# Altium PCB cat.PcbDoc (part 3 of 3)
Units mm, origin at the board's own origin, x right, y up, seen from the top; angles counter-clockwise.
Board outline 65 x 116 mm, 4 copper layers (Top Layer, Layer 2, Layer 3, Bottom Layer), stack 1.518 mm thick; 277 components, 139 nets, 821 pads, 589 vias.
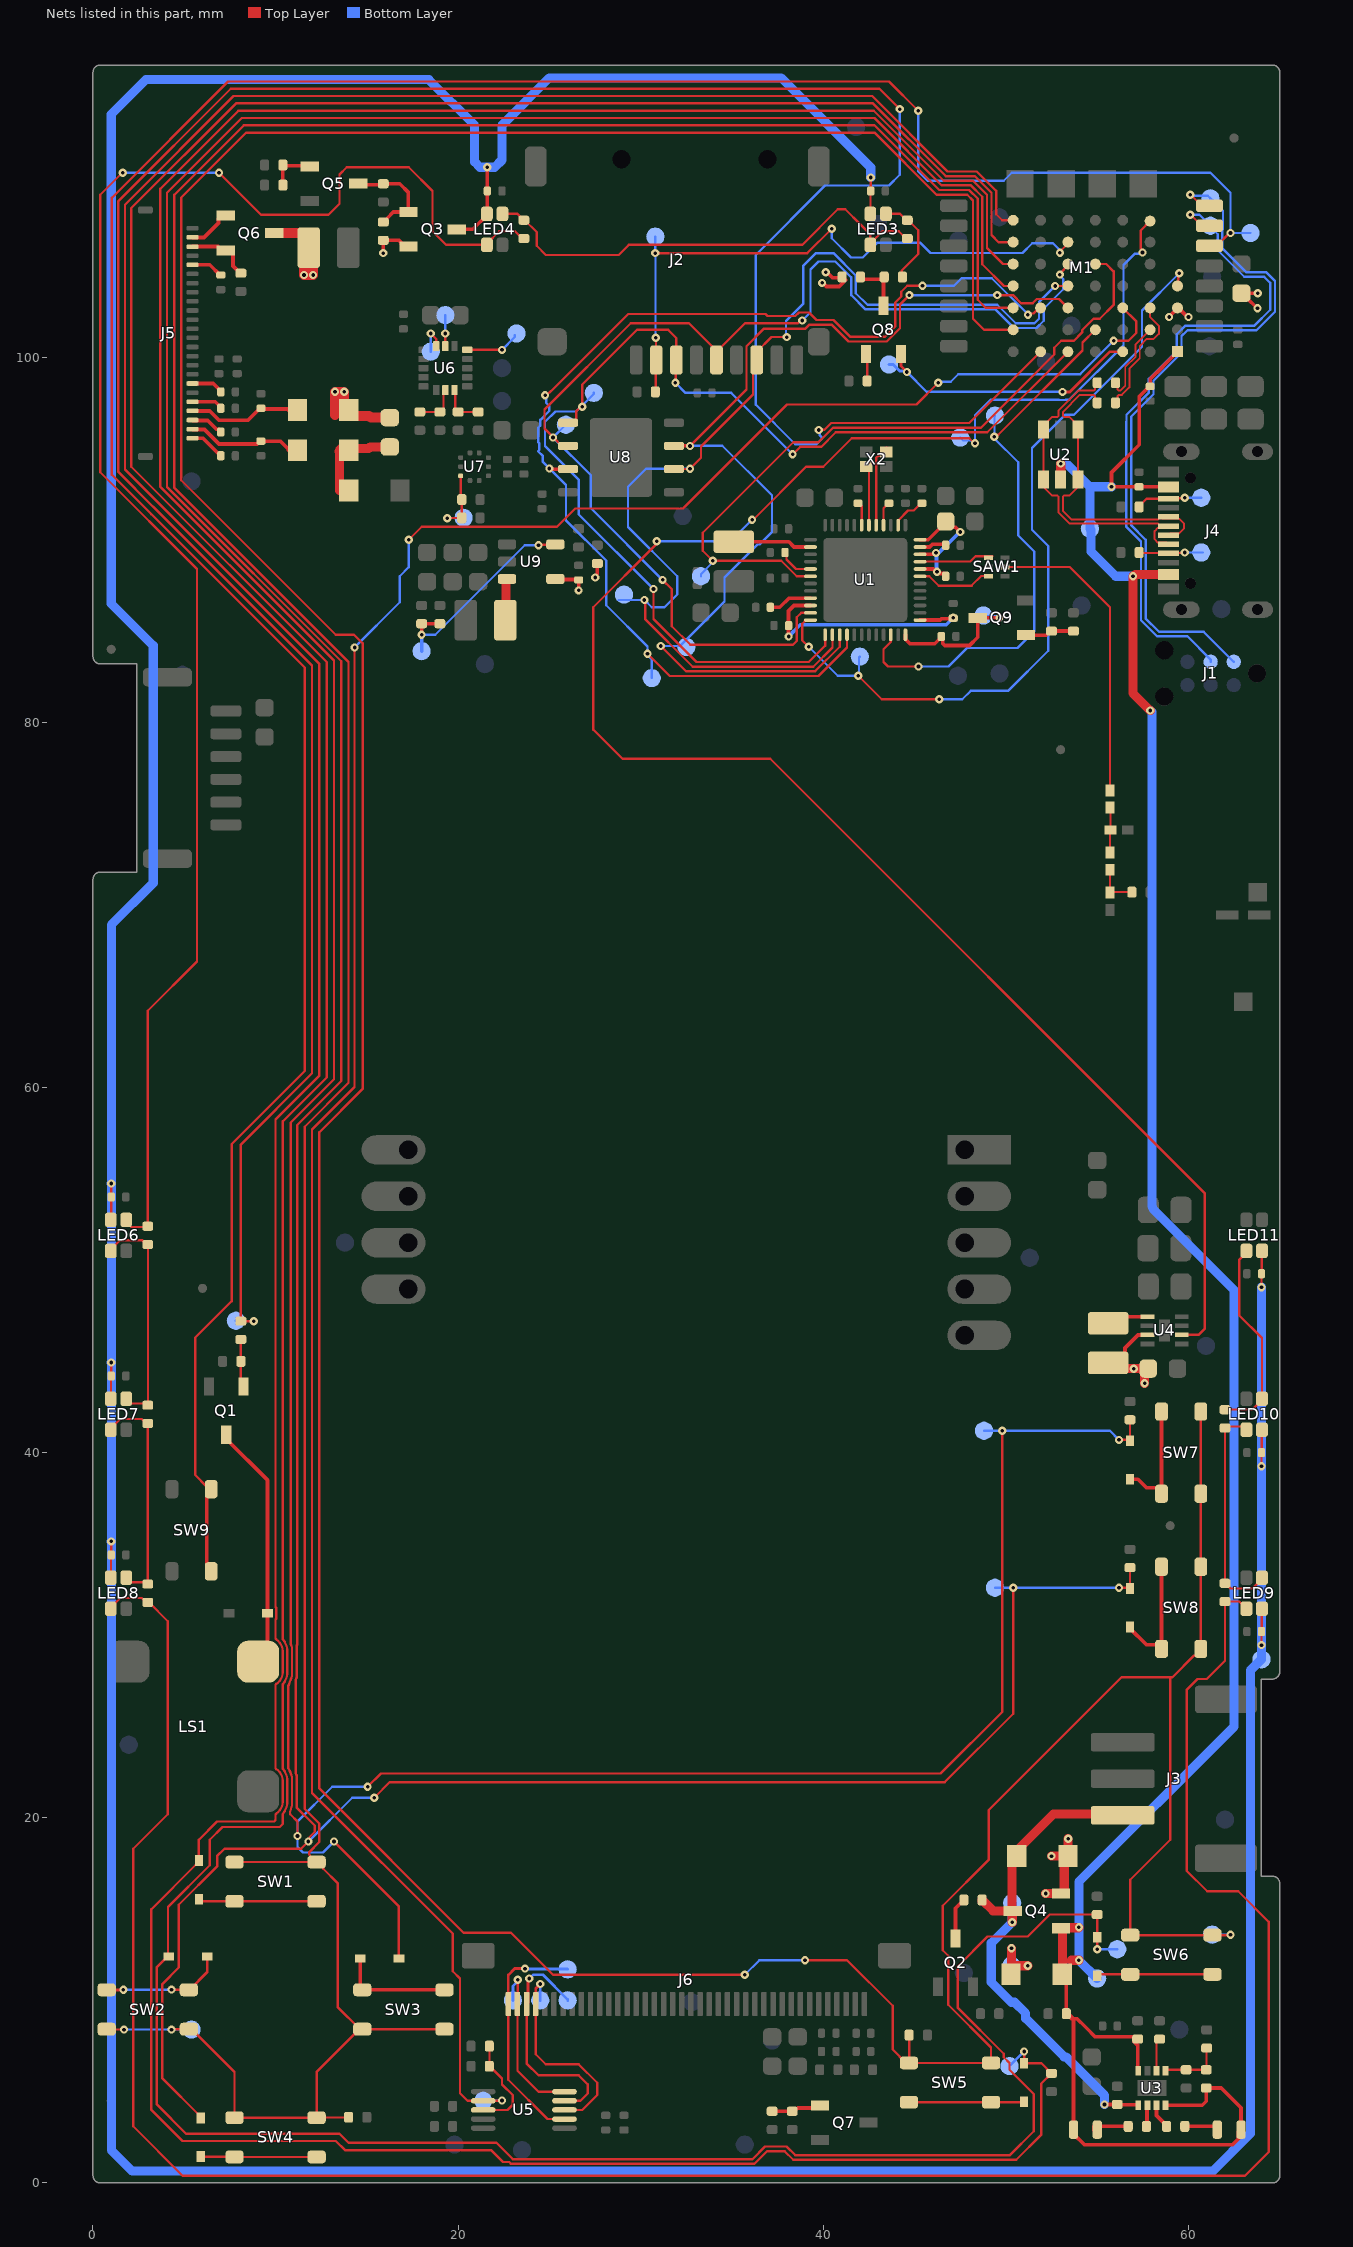
[diagram p5: the nets of this part, all layers, seen from the top]

## Via types
v1: diameter 0.45, hole 0.2, Top Layer to Bottom Layer, tented both sides, 566 vias
v2: diameter 0.66, hole 0.33, Top Layer to Bottom Layer, 16 vias
v3: diameter 0.45, hole 0.2, Top Layer to Bottom Layer, 7 vias

## Nets (pads, with @x,y where several pads share a name; then routed paths per layer and width w, separated by ;. In a path a pad name is that pad's centre, name@x,y a point inside that pad or via, vN(x,y) a via of type N, cw(c..) or ccw(c..) an arc to the next point about the centre after c; other vN are vias at no path point) (continued)
NetC14_2: C14.2 D12.K J5.21 | length 5.8
  Top Layer w0.203: J5.21@5.45,97.057 6.393,97.057 6.904,96.546 8.496,96.546 9.107,97.157 C14.2@9.243,97.157 ; C14.2@9.2,97.2 C14.2@9.243,97.157 ; D12.K@10.7,97.1 10.643,97.157 C14.2@9.243,97.157
NetC15_1: C15.1 D12.A L4.2 Q6.3 | length 11.6
  Top Layer w0.55: Q6.3@9.925,106.8 L4.2@11.815,106.8 ; 13.258,96.842 v1(13.258,98.103) v1(13.758,98.103) D12.A@13.758,96.858 ; D12.A@13.5,97.1 13.5,97.035 13.75,96.785 15.115,96.785 15.215,96.685 C15.1@16.256,96.685 ; v1(11.557,104.497) 11.557,105.742 L4.2@11.815,106 12.057,105.758 v1(12.057,104.497) v1(11.557,104.497)
NetC15_2: C15.2 D13.K D14.A | length 5.3
  Top Layer w0.5: D14.A@13.5,92.7 D13.K@13.5,94.838 ; D13.K@13.5,94.9 13.6,95 15.1,95 15.185,95.085 C15.2@16.256,95.085
  Top Layer w0.55: D13.K@13.5,94.838 D13.K@13.75,94.588
NetC17_2: C17.2 D13.A J5.23 | length 5.9
  Top Layer w0.203: J5.23@5.45,96.057 5.473,96.034 6.11,96.034 6.905,95.239 8.989,95.239 9.15,95.4 C17.2@9.2,95.4 10.275,95.4 10.7,94.975 D13.A@10.7,94.9
NetC18_2: C18.2 J5.5 | length 1.8
  Top Layer w0.203: J5.5@5.45,105.057 6.393,105.057 6.95,104.5 C18.2@7,104.5
NetC19_2: C19.2 J5.18 | length 1.8
  Top Layer w0.203: J5.18@5.45,98.557 6.593,98.557 7,98.15 C19.2@7,98.1
NetC20_2: C20.2 J5.20 | length 1.7
  Top Layer w0.203: J5.20@5.45,97.557 6.693,97.557 7,97.25 C20.2@7,97.2
NetC21_2: C21.2 J5.22 | length 1.9
  Top Layer w0.203: J5.22@5.45,96.557 5.473,96.534 6.285,96.534 6.77,96.048 6.902,96.048 7,95.95 C21.2@7,95.9
NetC22_2: C22.2 J5.24 | length 2
  Top Layer w0.203: J5.24@5.45,95.557 6.026,95.557 6.835,94.748 6.902,94.748 7,94.65 C22.2@7,94.6
NetC53_2: C53.2 Q9.3 TP69.1 U1.48 | length 8.2
  Top Layer w0.2: U1.48@44.5,84.8 44.5,84.55 44.75,84.3 46.1,84.3 46.35,84.55 46.4,84.55 C53.2@46.5,84.65 ; C53.2@46.5,84.7 46.5,84.55 46.537,84.55 46.537,84.321 46.654,84.204 48.009,84.204 48.459,84.654 48.459,85.55 48.634,85.725 v1(49.657,85.725)
  Bottom Layer w0.2: TP69.1@48.768,85.852 48.847,85.773 49.609,85.773 v1(49.657,85.725)
NetC54_2: C54.2 U1.11 | length 1.5
  Top Layer w0.203: U1.11@45.3,89.6 45.817,89.6 45.975,89.758 46.602,89.758 46.7,89.66 C54.2@46.7,89.65
NetC55_2: C55.2 U1.16 | length 1.3
  Top Layer w0.127: U1.16@43.3,90.8 43.3,91.73 43.57,92 C55.2@43.6,92
NetC56_2: C56.2 U1.19 | length 1.3
  Top Layer w0.127: C56.2@41.9,92 41.93,92 42.1,91.83 U1.19@42.1,90.8
NetC57_1: C57.1 U1.14 | length 1.9
  Top Layer w0.127: U1.14@44.1,90.8 44.1,91.061 44.639,91.6 44.95,91.6 45.35,92 C57.1@45.4,92
NetC58_2: C58.2 U1.33 | length 2.4
  Top Layer w0.203: C58.2@37.1,86.3 37.621,86.3 38.121,86.8 U1.33@39.3,86.8
NetC59_2: C59.2 U1.29 | length 1.9
  Top Layer w0.127: C59.2@37.9,89.3 37.983,89.217 37.983,88.925 38.508,88.4 U1.29@39.3,88.4
NetC60_2: C60.2 C61.1 U1.1 U1.34 | length 14
  Top Layer w0.203: v1(38.1,84.7) C61.1@38.1,85.3 38.1,86.1 38.4,86.4 U1.34@39.3,86.4 ; U1.1@45.3,85.6 46.4,85.6 46.478,85.678 47.07,85.678 v1(47.117,85.725)
  Bottom Layer w0.203: v1(38.1,84.7) 38.744,85.344 46.736,85.344 v1(47.117,85.725)
NetC62_1: C62.1 C63.2 U1.8 U1.10 U1.12 | length 7.8
  Top Layer w0.203: U1.8@45.3,88.4 46.011,88.4 46.15,88.261 46.15,88.174 v1@46.179,88.204 ; U1.10@45.3,89.2 46.028,89.2 46.107,89.279 v1(46.173,89.279) ; U1.12@45.3,90 45.75,90 C63.2@46.32,90.57 ; v1(46.227,88.251) v1@46.179,88.204 ; C62.1@46.65,88 46.65,88.1 46.602,88.148 46.396,88.148 46.341,88.204 v1@46.179,88.204 ; C63.2@46.7,91 47.015,90.686 47.242,90.686 v1(47.5,90.427)
  Bottom Layer w0.203: v1(46.227,88.251) 46.2,88.277 46.2,89.252 v1(46.173,89.279) 46.221,89.326 46.369,89.326 47.47,90.427 v1(47.5,90.427)
NetD1_K: D1.K SW1.1 SW1.2 | length 6.4
  Top Layer w0.152: D1.K@5.9,15.545 6.02,15.425 SW1.2@7.75,15.425 SW1.1@12.25,15.425
NetD2_K: D2.K SW2.1 SW2.2 | length 6.8
  Top Layer w0.152: SW2.1@0.75,10.575 1.658,10.575 v1(1.664,10.582) ; v1(4.304,10.592) 4.313,10.583 5.242,10.583 SW2.2@5.25,10.575 5.289,10.575 6.255,11.541 D2.K@6.255,12.4
  Bottom Layer w0.152: v1(1.664,10.582) 1.669,10.587 4.3,10.587 v1(4.304,10.592)
NetD3_K: D3.K SW3.1 SW3.2 | length 6.3
  Top Layer w0.203: D3.K@14.645,12.3 14.645,10.683 SW3.1@14.753,10.575 SW3.2@19.253,10.575
NetD4_K: D4.K SW4.1 SW4.2 | length 6.4
  Top Layer w0.127: D4.K@5.9,1.445 5.91,1.435 7.74,1.435 SW4.2@7.75,1.425 SW4.1@12.25,1.425
NetD5_K: D5.K SW5.1 SW5.2 | length 6.3
  Top Layer w0.127: SW5.2@44.688,4.425 SW5.1@49.188,4.425 50.98,4.425 D5.K@51,4.445 D5.K@51.005,4.45
NetD6_K: D6.K SW6.1 SW6.2 | length 6.3
  Top Layer w0.127: D6.K@55,11.345 55.08,11.425 SW6.2@56.812,11.425 SW6.1@61.312,11.425
NetD7_K: D7.K SW7.1 SW7.2 | length 6.5
  Top Layer w0.203: D7.K@56.8,38.545 57.23,38.545 57.702,38.073 58.302,38.073 58.525,37.85 SW7.2@58.525,42.35
NetD8_K: D8.K SW8.1 SW8.2 | length 6.8
  Top Layer w0.203: D8.K@56.8,30.445 56.8,30.375 57.702,29.473 58.302,29.473 SW8.1@58.525,29.25 SW8.2@58.525,33.75
NetD9_A: D9.A LS1.- Q1.3 | length 13.4
  Top Layer w0.203: Q1.3@7.3,40.975 7.3,40.75 9.555,38.495 D9.A@9.555,31.2 9.555,28.645 LS1.-@9.65,28.55
NetJ4_A5: J4.A5 R14.2 TP6.1 | length 3.5
  Top Layer w0.127: R14.2@57.3,89.3 57.325,89.275 58.875,89.275 J4.A5@58.9,89.25 58.925,89.275 59.775,89.275 v1(59.8,89.3)
  Bottom Layer w0.127: v1(59.8,89.3) TP6.1@60.8,89.3
NetJ4_B5: J4.B5 R16.2 TP7.1 | length 3.6
  Top Layer w0.127: R16.2@57.3,91.8 57.3,91.85 57.7,92.25 J4.B5@58.9,92.25 58.925,92.275 59.775,92.275 v1(59.8,92.3)
  Bottom Layer w0.127: v1(59.8,92.3) TP7.1@60.7,92.3
NetJ5_2: J5.2 Q6.1 | length 2.4
  Top Layer w0.203: J5.2@5.45,106.557 6.08,106.557 6.877,107.354 6.877,107.577 7.05,107.75 Q6.1@7.275,107.75
NetJ5_3: J5.3 Q6.2 R30.2 | length 3.7
  Top Layer w0.203: J5.3@5.45,106.057 6.843,106.057 7.05,105.85 Q6.2@7.275,105.85 7.5,105.85 7.673,105.677 7.673,104.989 8.063,104.6 R30.2@8.1,104.6
NetJP1_2: JP1.2 JP2.1 U5.8 | length 5.6
  Top Layer w0.127: U5.8@21.375,4 22.7,4 23,4.3 23,4.8 22.4,5.4 22.4,5.724 21.717,6.407 JP1.2@21.717,7.621
NetJP3_1: JP3.1 LED3.4 R35.2 | length 4.8
  Top Layer w0.127: LED3.4@43.425,107.85 44.2,107.85 44.55,107.5 JP3.1@44.6,107.5 44.65,107.5 45.2,106.95 45.2,105.65 44.3,104.75 44.3,104.7
NetJP3_2: JP3.2 JP4.1 LED3.1 LED4.4 | length 26.2
  Top Layer w0.127: LED4.4@22.425,107.85 23.25,107.85 23.364,107.737 23.364,107.72 23.583,107.5 JP4.1@23.6,107.5 23.65,107.5 24.3,106.85 24.3,106.1 24.8,105.6 28.8,105.6 29.35,106.15 38.85,106.15 40.797,108.097 41.203,108.097 42.041,107.259 42.575,106.725 LED3.1@42.575,106.225 ; LED3.1@42.575,106.15 LED3.1@42.575,106.225 ; JP3.2@44.6,106.5 44.53,106.5 44.13,106.9 43.25,106.9 LED3.1@42.575,106.225
NetJP4_2: JP4.2 JP6.1 LED4.1 LED6.4 | length 91.6
  Top Layer w0.127: v1(1.627,110.1) 1.6,110.1 0.4,108.9 0.4,93.7 5.7,88.4 5.7,66.9 3,64.2 JP6.1@3,52.259 ; LED6.4@1.825,52.75 1.825,52.621 2.078,52.369 2.078,52.357 2.886,52.357 2.929,52.4 JP6.1@3,52.4 ; v1(6.9,110.1) 9.2,107.8 12.9,107.8 13.5,108.4 13.5,110 13.9,110.4 17.3,110.4 18.6,109.1 18.6,106.9 19.35,106.15 LED4.1@21.575,106.15 21.575,106.225 22.25,106.9 23.117,106.9 23.517,106.5 JP4.2@23.6,106.5
  Bottom Layer w0.127: v1(1.627,110.1) v1(6.9,110.1)
NetJP6_2: JP6.2 JP7.1 LED6.1 LED7.4 | length 13.4
  Top Layer w0.127: LED6.1@0.975,51.05 0.975,51.125 1.49,51.641 2.689,51.641 2.93,51.4 JP6.2@3,51.4 ; JP6.2@2.95,51.4 3.01,51.34 3.01,42.782 JP7.1@3,42.782 ; LED7.4@1.825,42.947 LED7.4@1.825,42.95 ; LED7.4@1.825,42.947 LED7.4@2.079,42.693 ; LED7.4@1.825,42.947 LED7.4@1.825,42.95 ; LED7.4@1.825,42.947 LED7.4@2.079,42.693 ; LED7.4@1.825,42.947 LED7.4@2.079,42.693 ; LED7.4@1.825,42.947 LED7.4@1.825,42.95 ; LED7.4@2.079,42.693 JP7.1@2.907,42.693 ; JP7.1@2.907,42.693 2.912,42.693 JP7.1@3,42.782 ; JP7.1@2.907,42.693 JP7.1@3,42.6 JP7.1@3,42.782
NetJP7_2: JP7.2 JP8.1 LED7.1 LED8.4 | length 13.3
  Top Layer w0.127: LED7.1@0.975,41.25 0.975,41.325 1.49,41.841 2.676,41.841 2.917,41.6 JP7.2@3,41.6 ; JP8.1@3,32.8 2.907,32.893 LED8.4@2.079,32.893 ; JP8.1@3.01,32.8 3,32.81 3,41.59 JP7.2@3.01,41.6 ; LED8.4@1.825,33.147 LED8.4@1.825,33.15 ; LED8.4@1.825,33.147 LED8.4@2.079,32.893 ; LED8.4@1.825,33.147 LED8.4@1.825,33.15 ; LED8.4@1.825,33.147 LED8.4@2.079,32.893 ; LED8.4@1.825,33.147 LED8.4@1.825,33.15 ; LED8.4@1.825,33.147 LED8.4@2.079,32.893
NetJP8_2: JP8.2 JP9.1 LED8.1 LED9.4 | length 131.8
  Top Layer w0.127: LED8.1@0.975,31.45 0.975,31.525 1.49,32.04 2.676,32.04 2.917,31.8 JP8.2@3.017,31.8 ; JP8.2@3,31.8 3.061,31.8 4.1,30.761 4.1,20.2 2.2,18.3 2.2,3.1 4.9,0.4 63.1,0.4 64.4,1.7 64.4,14.3 62.725,15.975 61.025,15.975 59.9,17.1 59.9,27 60.5,27.6 61,27.6 62,28.6 JP9.1@62,31.845 62.783,31.845 62.902,31.725 62.921,31.725 63.175,31.471 LED9.4@63.175,31.45
NetJP9_2: JP9.2 JP10.1 LED9.1 LED10.4 | length 12.1
  Top Layer w0.127: JP9.2@62,32.845 62,40.753 JP10.1@62,41.35 62.086,41.436 62.989,41.436 LED10.4@63.175,41.25 ; JP9.2@62.026,32.845 62.311,32.56 63.509,32.56 LED9.1@64.025,33.075
NetJP10_2: JP10.2 LED10.1 LED11.4 | length 11
  Top Layer w0.127: JP10.2@62.192,42.492 62.324,42.359 63.509,42.359 LED10.1@63.987,42.838 ; LED11.4@63.175,51.05 63.175,50.952 62.774,50.552 62.774,47.525 64.025,46.274 64.025,42.875 LED10.1@64.025,42.8
NetJP12_2: JP12.2 JP13.1 U6.7 | length 2.5
  Top Layer w0.127: JP13.1@17.85,97 JP13.1@17.9,97 JP12.2@19,97 19.015,97 19.197,97.182 19.197,98.097 U6.7@19.3,98.2
NetJP14_2: JP14.2 JP15.1 U6.8 | length 2.4
  Top Layer w0.127: U6.8@19.8,98.2 19.842,98.158 19.842,97.158 JP14.2@20,97 JP15.1@21.1,97
NetL1_2: L1.2 L5.1 R22.1 | length 2.5
  Top Layer w0.119: L5.1@55.7,71.925 L1.2@55.7,70.675 55.725,70.7 R22.1@56.9,70.7
NetL2_2: L2.2 U1.26 | length 4.3
  Top Layer w0.203: L2.2@35.1,89.885 38.115,89.885 38.4,89.6 U1.26@39.3,89.6
NetL3_2: L3.2 U4.1 | length 1.8
  Top Layer w0.203: L3.2@55.962,47.447 U4.1@57.757,47.447
NetL5_2: L5.2 L6.2 L7.1 | length 2.5
  Top Layer w0.119: L5.2@55.7,72.875 55.7,74.075 L6.2@55.725,74.1 55.725,75.3 L7.1@55.7,75.325
NetL7_2: L7.2 SAW1.6 | length 16.7
  Top Layer w0.119: SAW1.6@49.95,88.508 53.492,88.508 55.7,86.3 L7.2@55.7,76.275
NetL8_1: L8.1 U9.3 | length 2.3
  Top Layer w0.5: L8.1@22.585,85.6 22.63,85.645 22.63,87.825 22.655,87.85 U9.3@22.675,87.85
NetLED1_1: LED1.1 R17.1 | length 1.8
  Top Layer w0.203: R17.1@59.8,3.1 61.433,3.1 61.444,3.089 LED1.1@61.444,2.907
NetLED2_1: LED2.1 R18.1 | length 2.1
  Top Layer w0.203: LED2.1@54.827,2.9 54.827,3.1 R18.1@56.7,3.1
NetQ1_1: Q1.1 R5.2 R6.1 | length 2.6
  Top Layer w0.127: R5.2@8.1,46.2 R6.1@8.1,45 8.1,43.775 Q1.1@8.25,43.625
NetQ2_3: Q2.3 R23.1 | length 2.3
  Top Layer w0.203: Q2.3@47.244,13.39 47.244,15.044 R23.1@47.7,15.5
NetQ3_1: Q3.1 Q5.3 R26.1 R27.1 | length 5.8
  Top Layer w0.203: Q5.3@14.525,109.5 14.575,109.45 16.008,109.45 R27.1@16.058,109.4 ; R26.1@15.9,107.4 15.937,107.4 16.084,107.547 16.084,107.584 16.45,107.95 Q3.1@17.275,107.95 17.275,109.025 16.8,109.5 R27.1@15.9,109.5
NetQ5_1: Q5.1 R28.2 R29.1 | length 2.6
  Top Layer w0.203: R29.1@10.4,109.425 R28.2@10.4,110.525 10.438,110.487 11.838,110.487 Q5.1@11.875,110.45
NetQ7_1: Q7.1 R31.2 R32.1 | length 2.8
  Top Layer w0.203: R31.2@37.2,3.925 R32.1@38.3,3.925 38.434,4.059 38.567,4.059 38.617,4.109 39.68,4.109 Q7.1@39.823,4.252
NetQ8_1: Q8.1 R37.1 | length 1.4
  Top Layer w0.127: R37.1@42.4,98.692 Q8.1@42.4,100.117
NetQ8_3: Q8.3 R35.1 R36.1 | length 2.7
  Top Layer w0.203: R36.1@42.236,104.267 R35.1@43.336,104.267 ; Q8.3@43.3,102.817 43.3,104.358 R35.1@43.336,104.394
NetQ9_1: Q9.1 R46.1 R47.2 | length 2.7
  Top Layer w0.2: Q9.1@51.109,84.775 52.211,84.775 52.436,85 R46.1@52.5,85 R47.2@53.7,85
NetR15_2: R15.2 U3.2 | length 1.8
  Top Layer w0.127: U3.2@58.25,6.145 58.25,7.712 R15.2@58.42,7.882
NetR17_2: R17.2 U3.7 | length 1.4
  Top Layer w0.127: R17.2@58.8,3.1 58.8,3.15 R17.2@58.8,3.157
  Top Layer w0.203: U3.7@58.25,4.255 58.25,3.7 R17.2@58.8,3.15
NetR18_2: R18.2 U3.6 | length 1.2
  Top Layer w0.203: R18.2@57.7,3.1 57.725,3.125 57.725,4.23 U3.6@57.75,4.255
NetR19_2: R19.2 R20.2 R21.2 U3.1 | length 3.4
  Top Layer w0.127: U3.1@58.75,6.145 58.805,6.2 R21.2@59.875,6.2 R19.2@60.975,6.2 60.988,6.213 60.988,7.373 R20.2@61,7.386
NetR38_2: R38.2 R39.1 TP28.1 U7.5 | length 4
  Top Layer w0.127: v1(19.4,91.175) 19.412,91.188 20.188,91.188 R39.1@20.2,91.2 R38.2@20.2,92.2 20.14,92.26 U7.5@20.14,93.5
  Bottom Layer w0.127: v1(19.4,91.175) 19.412,91.188 20.288,91.188 TP28.1@20.3,91.2
NetR42_2: R42.2 R43.1 TP2.1 U9.5 | length 11.9
  Top Layer w0.127: v1(24.4,89.7) 24.425,89.725 25.3,89.725 U9.5@25.325,89.75
  Top Layer w0.203: v1(18,84.8) R42.2@18,85.4 R43.1@19,85.4
  Bottom Layer w0.127: v1(18,84.8) 18.75,84.8 23.65,89.7 v1(24.4,89.7)
  Bottom Layer w0.203: TP2.1@18,83.9 v1(18,84.8)
NetSAW1_1: SAW1.1 U1.9 | length 4.1
  Top Layer w0.119: U1.9@45.3,88.8 48.033,88.8 48.333,89.1 SAW1.1@49.258,89.1
NetSAW1_3: SAW1.3 U1.7 | length 4.2
  Top Layer w0.119: U1.7@45.3,88 45.8,88 46.316,87.484 48.13,87.484 ; 48.13,87.5 48.638,88.008 SAW1.3@49.05,88.008
NetTP22_1: TP22.1 U6.16 | length 1.8
  Top Layer w0.127: v1(18.5,101.3) 18.8,101 U6.16@18.8,100.6
  Bottom Layer w0.127: TP22.1@18.5,100.3 v1(18.5,101.3)
NetTP23_1: TP23.1 U6.15 | length 1.7
  Top Layer w0.127: U6.15@19.3,100.6 v1(19.3,101.3)
  Bottom Layer w0.127: v1(19.3,101.3) TP23.1@19.3,102.3
NetTP24_1: TP24.1 U6.13 | length 3
  Top Layer w0.127: U6.13@20.5,100.4 v1(22.4,100.4)
  Bottom Layer w0.127: v1(22.4,100.4) 23.1,101.1 TP24.1@23.1,101.2
NetU1_17: U1.17 X2.1 | length 4.5
  Top Layer w0.127: U1.17@42.9,90.8 42.9,94.5 42.992,94.592 43.242,94.592 X2.1@43.487,94.837 ; X2.1@43.437,95.037 X2.1@43.487,95.037
NetU1_18: U1.18 X2.3 | length 3.5
  Top Layer w0.127: X2.3@42.325,93.975 42.5,93.8 U1.18@42.5,90.8 ; X2.3@42.325,94.175 X2.3@42.5,94
RGB_DATA: M1.D6 Q8.2 TP41.1 | length 15.4
  Top Layer w0.152: Q8.2@44.25,100.167 44.25,99.514 v1(44.577,99.187) ; v1(53.1,98.1) 53.5,98.1 55.7,100.3 M1.D6@56.4,100.3
  Bottom Layer w0.127: v1(44.577,99.187) 45.664,98.1 v1(53.1,98.1)
  Bottom Layer w0.152: TP41.1@43.6,99.6 43.829,99.6 44.185,99.244 44.52,99.244 v1(44.577,99.187)
SD_C\S\: J2.2 M1.B1 R7.2 TP3.1 | length 33.9
  Top Layer w0.127: R7.2@30.8,98.1 30.825,98.125 30.825,99.818 J2.2@30.85,99.843 30.837,99.855 30.837,101.047 v1(30.825,101.059) ; v1(30.8,105.7) 39.124,105.7 v1(40.463,107.039) ; v1@53.028,105.791 53.028,105.86 53.4,106.232 M1.B1@53.4,106.3
  Bottom Layer w0.127: TP3.1@30.8,106.6 v1(30.8,105.7) 30.813,105.688 30.813,101.072 v1(30.825,101.059) ; v1(40.463,107.039) 40.463,106.514 41.517,105.459 42.159,105.459 42.959,106.259 45.317,106.259 45.867,105.709 50.909,105.709 51.441,106.241 52.578,106.241 52.897,105.922 52.897,105.869 52.975,105.791 v1@53.028,105.791
  other v1: 52.959,105.719
SEN55_BOOST: M1.E0 TP42.1 U4.6 | length 104.4
  Top Layer w0.127: v1(30.877,89.923) 30.815,89.861 30.815,89.715 27.4,86.3 27.4,79.6 29,78 37.1,78 60.9,54.2 60.9,46.8 60.55,46.45 U4.6@59.64,46.45 ; v1(36.1,91.1) 36.159,91.1 39.059,94 40,94 41.559,95.559 47.994,95.559 48.267,95.285 v1(48.307,95.285) ; v1(57.484,105.734) 57.422,105.795 57.422,105.935 57.387,105.97 57.387,106.939 M1.E0@57.9,107.452
  Bottom Layer w0.127: v1(30.877,89.923) 34.923,89.923 v1(36.1,91.1) ; TP42.1@47.5,95.6 47.667,95.433 48.073,95.433 48.22,95.285 v1(48.307,95.285) 48.307,96.807 49.163,97.663 52.913,97.663 52.917,97.659 53.283,97.659 53.287,97.663 53.463,97.663 56.446,100.646 56.446,105.046 57.072,105.672 57.422,105.672 v1(57.484,105.734)
SPEAKER_OUT: M1.A6 R5.1 TP52.1 | length 155.5
  Top Layer w0.127: v1(8.8,47.2) R5.1@8.1,47.2 8.1,56.875 12,60.775 12,83.113 3.313,91.8 3.3,91.8 1.392,93.708 1.392,108.548 7.544,114.7 43.077,114.7 v1(44.188,113.588) ; v1(39.751,96.012) 39.767,96.028 40.069,96.028 40.434,96.393 47.992,96.393 48.107,96.508 ; 48.108,96.508 M1.A6@51.9,100.3
  Bottom Layer w0.127: TP52.1@7.825,47.225 7.838,47.213 8.787,47.213 v1(8.8,47.2) ; v1(39.751,96.012) 39.813,95.95 39.813,95.714 39.9,95.627 39.9,95.5 39.632,95.232 38.468,95.232 36.3,97.4 36.3,105.6 40.1,109.4 43.6,109.4 44.188,109.988 v1(44.188,113.588)
SPI_CK: J2.5 M1.B2 TP61.1 U1.35 U8.6 | length 66.6
  Top Layer w0.127: v1(25.2,95.6) v1@25.218,95.6 ; U8.6@26.02,95.14 25.677,95.14 v1@25.218,95.6 ; v1(31.2,87.8) 31.7,87.3 31.7,85.267 32.721,84.247 38.346,84.247 38.552,84.453 38.552,85.752 38.8,86 U1.35@39.3,86 ; v1(38.845,102.005) 38.76,102.005 38.609,101.854 35.717,101.854 34.401,100.538 34.401,100.094 J2.5@34.15,99.843 34.15,100.35 32.648,101.852 29.452,101.852 24.732,97.132 24.732,96.086 v1@25.218,95.6 ; v1(52.959,104.521) 52.959,104.59 53.4,105.031 M1.B2@53.4,105.1
  Bottom Layer w0.127: TP61.1@25.9,96.3 v1(25.2,95.6) 27.259,93.541 27.259,91.741 v1(31.2,87.8) ; v1(38.845,102.005) 39.3,102.46 39.3,104.8 39.741,105.241 40.658,105.241 41.529,104.37 41.529,103.4 42.313,102.616 49.425,102.616 50.441,101.6 51.67,101.6 52.07,102 52.07,102.646 53.141,103.717 53.141,104.285 52.959,104.467 v1(52.959,104.521)